# Altium PCB controller_V1.3.1.PcbDoc (part 4 of 7)
Units mm, origin at the board's own origin, x right, y up, seen from the top; angles counter-clockwise.
Board outline 244 x 150 mm, 2 copper layers (Top Layer, Bottom Layer), stack 1.98 mm thick; 438 components, 367 nets, 1493 pads, 9629 vias.
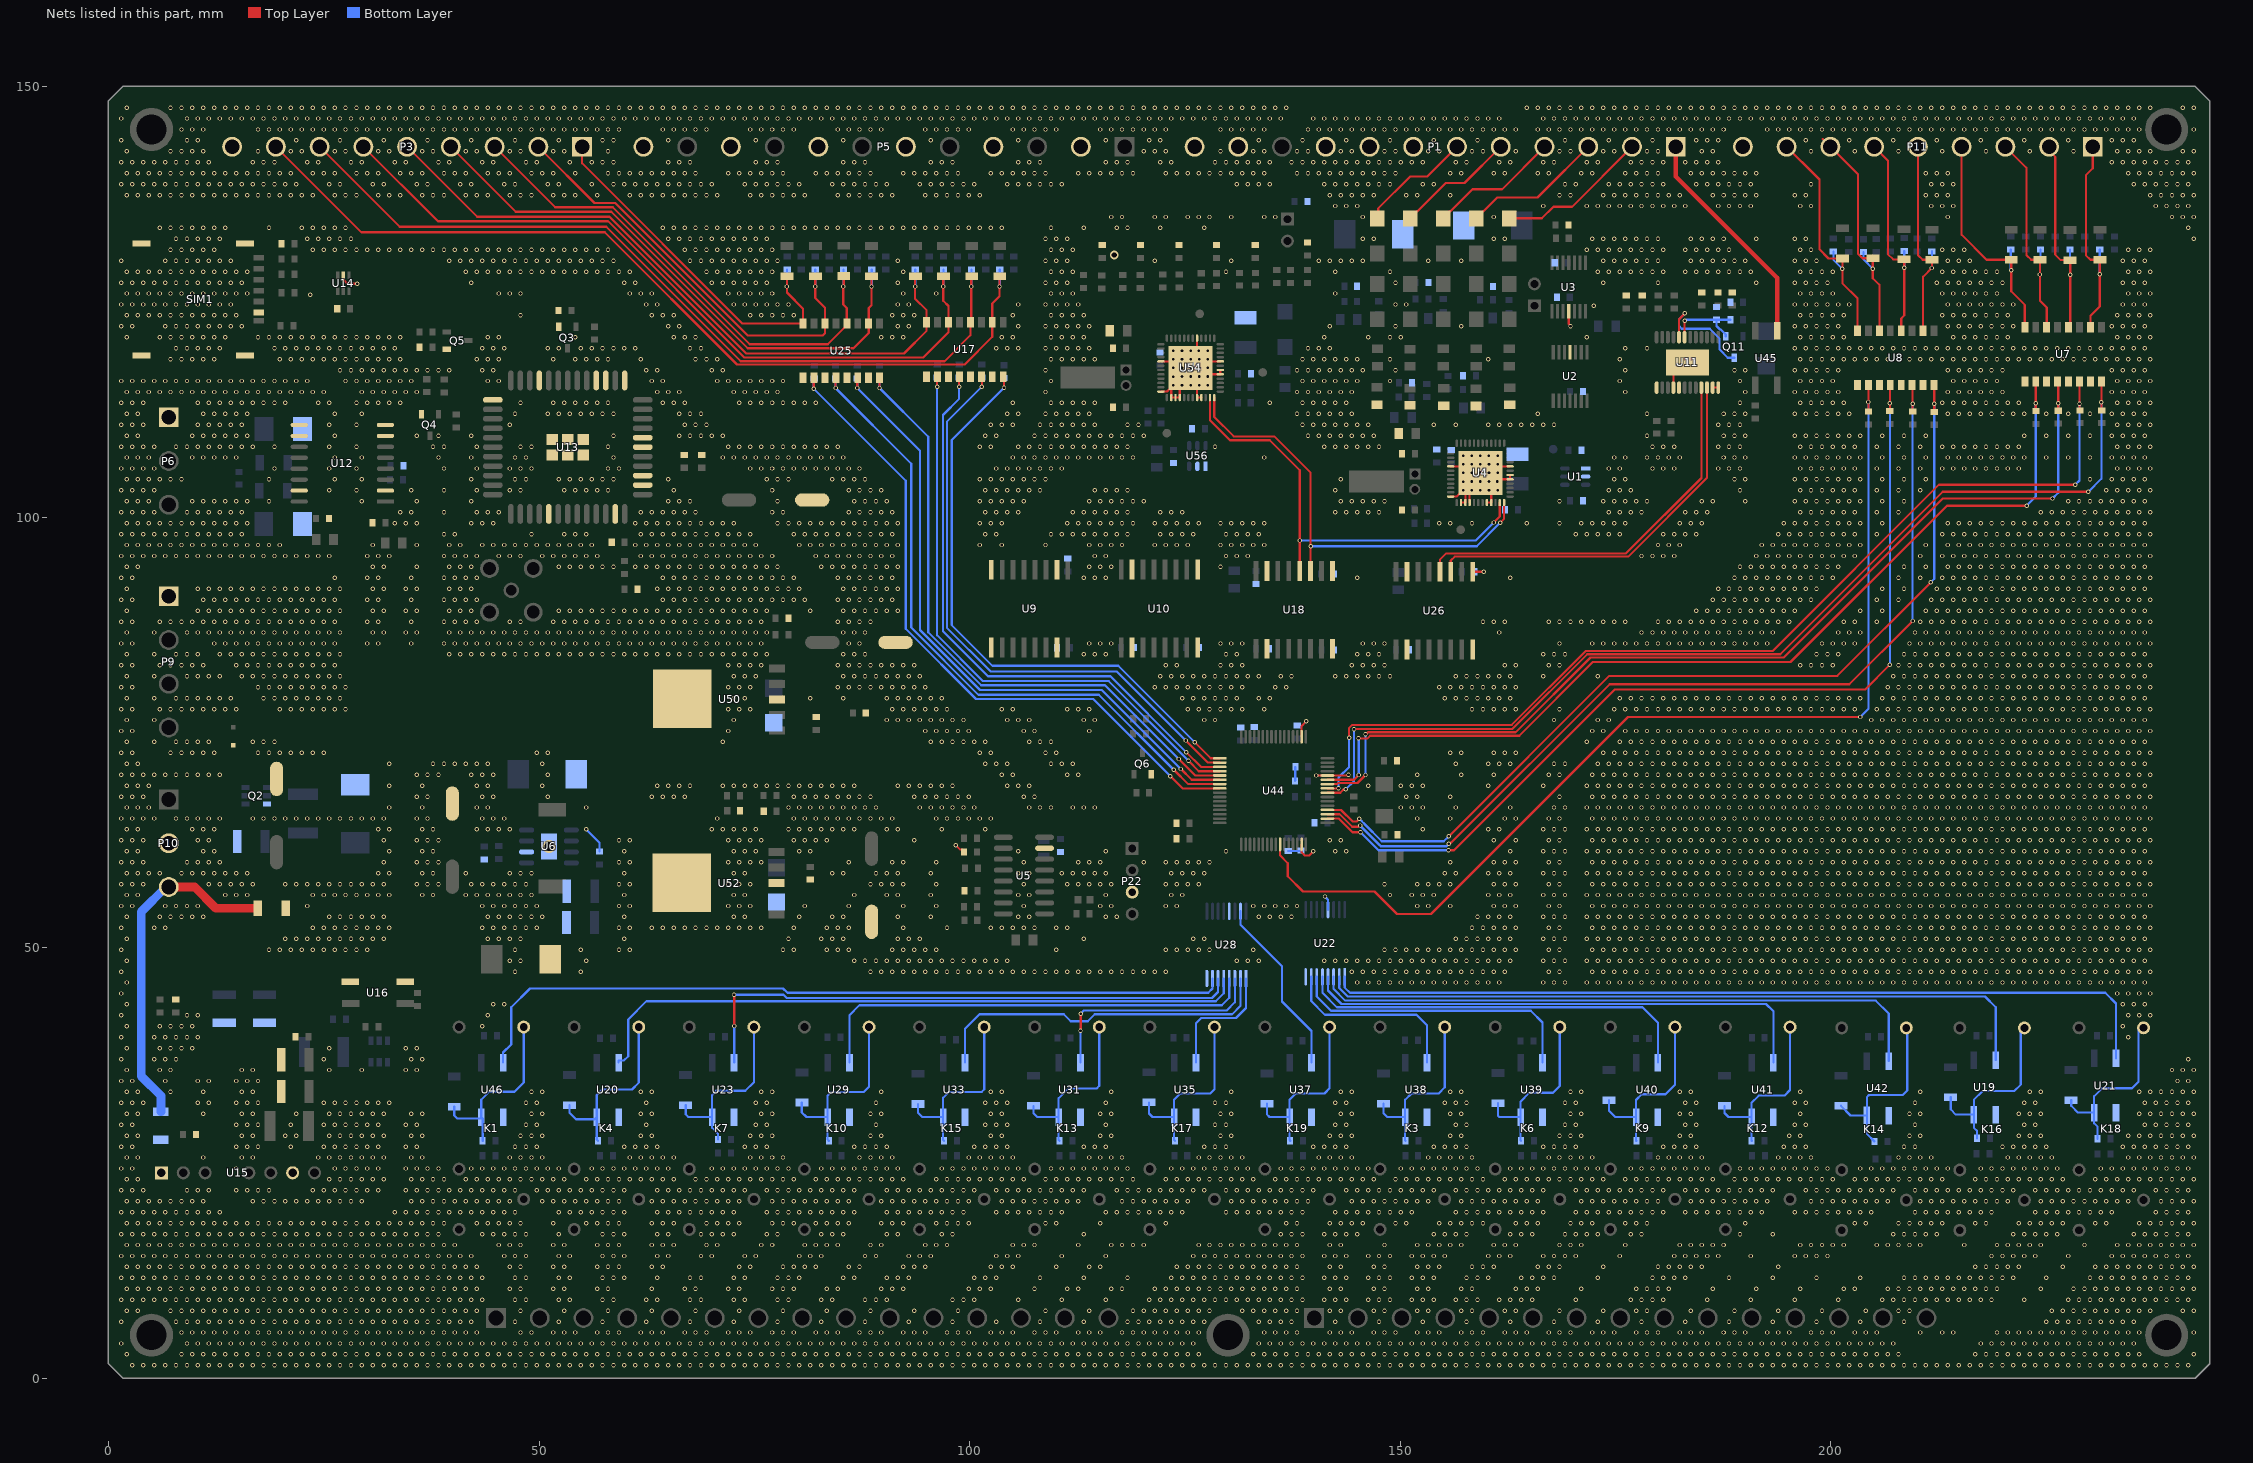
[diagram p4: the nets of this part, all layers, seen from the top]

## Via types
v1: diameter 0.508, hole 0.305, Top Layer to Bottom Layer, 9222 vias
v2: diameter 0.508, hole 0.305, Top Layer to Bottom Layer, tented both sides, 294 vias
v3: diameter 0.6, hole 0.3, Top Layer to Bottom Layer, 50 vias
v4: diameter 1.016, hole 0.635, Top Layer to Bottom Layer, tented both sides, 39 vias
v5: diameter 0.762, hole 0.508, Top Layer to Bottom Layer, tented both sides, 16 vias
v6: diameter 1.524, hole 1.016, Top Layer to Bottom Layer, tented both sides, 7 vias
v7: diameter 1.5, hole 1, Top Layer to Bottom Layer, 1 vias

## Nets (pads, with @x,y where several pads share a name; then routed paths per layer and width w, separated by ;. In a path a pad name is that pad's centre, name@x,y a point inside that pad or via, vN(x,y) a via of type N, cw(c..) or ccw(c..) an arc to the next point about the centre after c; other vN are vias at no path point) (continued)
AGND: (continued)
  other v1: 116.427,106.909 117.697,106.909 118.967,106.909 134.207,106.909 174.847,106.909 176.117,106.909 178.657,106.909 179.927,106.909 181.197,106.909 182.467,106.909 187.547,106.909 188.817,106.909 190.087,106.909 1.492,108.179 2.762,108.179 4.032,108.179 5.302,108.179 7.842,108.179 9.112,108.179 10.382,108.179 11.652,108.179 12.922,108.179 14.192,108.179 15.462,108.179 16.732,108.179 19.272,108.179 25.622,108.179 105.632,108.179 106.902,108.179 108.172,108.179 109.442,108.179 110.712,108.179 111.982,108.179 113.252,108.179 114.522,108.179 115.792,108.179 117.062,108.179 118.332,108.179 128.492,108.179 141.192,108.179 142.462,108.179 143.732,108.179 145.002,108.179 146.272,108.179 147.542,108.179 179.292,108.179 180.562,108.179 181.832,108.179 186.912,108.179 188.182,108.179 189.452,108.179 2.127,109.449 3.397,109.449 9.747,109.449 11.017,109.449 12.287,109.449 13.557,109.449 14.827,109.449 16.097,109.449 26.257,109.449 107.537,109.449 108.807,109.449 110.077,109.449 111.347,109.449 112.617,109.449 113.887,109.449 115.157,109.449 116.427,109.449 117.697,109.449 118.967,109.449 120.237,109.449 139.287,109.449 140.557,109.449 141.827,109.449 143.097,109.449 144.367,109.449 145.637,109.449 146.907,109.449 178.657,109.449 187.547,109.449 188.817,109.449 190.087,109.449 1.492,110.719 2.762,110.719 4.032,110.719 10.382,110.719 11.652,110.719 12.922,110.719 14.192,110.719 15.462,110.719 25.622,110.719 108.172,110.719 109.442,110.719 110.712,110.719 111.982,110.719 113.252,110.719 114.522,110.719 118.332,110.719 119.602,110.719 138.652,110.719 139.922,110.719 141.192,110.719 142.462,110.719 143.732,110.719 145.002,110.719 146.272,110.719 153.892,110.719 156.432,110.719 160.242,110.719 161.512,110.719 162.782,110.719 164.052,110.719 165.322,110.719 166.592,110.719 167.862,110.719 186.912,110.719 188.182,110.719 189.452,110.719 2.127,111.989 3.397,111.989 11.017,111.989 12.287,111.989 13.557,111.989 14.827,111.989 16.097,111.989 26.257,111.989 108.807,111.989 110.077,111.989 111.347,111.989 112.617,111.989 113.887,111.989 138.017,111.989 139.287,111.989 140.557,111.989 141.827,111.989 143.097,111.989 144.367,111.989 165.957,111.989 178.657,111.989 187.547,111.989 188.817,111.989 190.087,111.989 1.492,113.259 2.762,113.259 4.032,113.259 10.382,113.259 11.652,113.259 12.922,113.259 14.192,113.259 15.462,113.259 16.732,113.259 18.002,113.259 19.272,113.259 20.542,113.259 24.352,113.259 25.622,113.259 109.442,113.259 110.712,113.259 111.982,113.259 113.252,113.259 114.522,113.259 134.842,113.259 138.652,113.259 139.922,113.259 141.192,113.259 142.462,113.259 143.732,113.259 189.452,113.259 2.127,114.529 3.397,114.529 4.667,114.529 5.937,114.529 7.207,114.529 8.477,114.529 9.747,114.529 11.017,114.529 12.287,114.529 13.557,114.529 14.827,114.529 16.097,114.529 17.367,114.529 18.637,114.529 19.907,114.529 21.177,114.529 22.447,114.529 23.717,114.529 24.987,114.529 108.807,114.529 138.017,114.529 139.287,114.529 140.557,114.529 141.827,114.529 143.097,114.529 144.367,114.529 176.117,114.529 190.087,114.529 1.492,115.799 2.762,115.799 4.032,115.799 5.302,115.799 6.572,115.799 7.842,115.799 9.112,115.799 10.382,115.799 11.652,115.799 12.922,115.799 14.192,115.799 15.462,115.799 16.732,115.799 18.002,115.799 19.272,115.799 20.542,115.799 21.812,115.799 23.082,115.799 109.442,115.799 138.652,115.799 139.922,115.799 141.192,115.799 142.462,115.799 143.732,115.799 145.002,115.799 148.812,115.799 175.482,115.799 189.452,115.799 108.807,117.069 138.017,117.069 139.287,117.069 140.557,117.069 141.827,117.069 143.097,117.069 144.367,117.069 145.637,117.069 149.447,117.069 176.117,117.069 188.817,117.069 190.087,117.069 109.442,118.339 110.712,118.339 111.982,118.339 113.252,118.339 114.522,118.339 138.652,118.339 139.922,118.339 141.192,118.339 142.462,118.339 143.732,118.339 145.002,118.339 148.812,118.339 160.242,118.339 175.482,118.339 108.807,119.609 110.077,119.609 111.347,119.609 112.617,119.609 113.887,119.609 139.287,119.609 140.557,119.609 141.827,119.609 176.117,119.609 178.657,119.609 109.442,120.879 110.712,120.879 111.982,120.879 113.252,120.879 141.192,120.879 146.272,120.879 148.812,120.879 150.082,120.879 171.672,120.879 108.807,122.149 110.077,122.149 111.347,122.149 112.617,122.149 113.887,122.149 141.827,122.149 149.447,122.149 157.067,122.149 109.442,123.419 110.712,123.419 111.982,123.419 113.252,123.419 172.491,124.536 108.807,124.689 110.077,124.689 111.347,124.689 112.617,124.689 149.447,124.689 150.717,124.689 109.442,125.959 110.712,125.959 111.982,125.959 142.462,125.959 108.807,127.229 110.077,127.229 111.347,127.229 149.447,127.229 173.577,127.229 179.927,127.229 191.357,127.229 109.442,128.499 110.712,128.499 111.982,128.499 129.762,128.499 142.462,128.499 148.812,128.499 172.942,128.499 174.212,128.499 175.482,128.499 176.752,128.499 178.022,128.499 179.292,128.499 180.562,128.499 183.102,128.499 184.372,128.499 185.642,128.499 186.912,128.499 188.182,128.499 189.452,128.499 190.722,128.499 108.807,129.769 110.077,129.769 111.347,129.769 121.507,129.769 130.397,129.769 140.557,129.769 141.827,129.769 143.097,129.769 144.367,129.769 145.637,129.769 153.257,129.769 157.067,129.769 173.577,129.769 174.847,129.769 176.117,129.769 177.387,129.769 178.657,129.769 179.927,129.769 183.737,129.769 185.007,129.769 186.277,129.769 187.547,129.769 188.817,129.769 190.087,129.769 109.442,131.039 110.712,131.039 111.982,131.039 171.672,131.039 172.942,131.039 174.212,131.039 175.482,131.039 176.752,131.039 178.022,131.039 179.292,131.039 180.562,131.039 183.102,131.039 184.372,131.039 185.642,131.039 186.912,131.039 188.182,131.039 108.807,132.309 110.077,132.309 111.347,132.309 145.637,132.309 146.907,132.309 160.877,132.309 162.147,132.309 172.307,132.309 173.577,132.309 174.847,132.309 176.117,132.309 177.387,132.309 178.657,132.309 179.927,132.309 183.737,132.309 185.007,132.309 186.277,132.309 187.547,132.309 191.357,132.309 242.157,132.309 109.442,133.579 113.252,133.579 117.062,133.579 118.332,133.579 122.142,133.579 127.222,133.579 241.522,133.579 116.427,134.849 117.697,134.849 121.507,134.849 122.777,134.849 125.317,134.849 126.587,134.849 127.857,134.849 130.397,134.849 134.207,134.849 135.477,134.849 145.637,134.849 160.877,134.849 239.617,134.849 240.887,134.849 242.157,134.849 142.462,136.119 143.732,136.119 145.002,136.119 166.592,136.119 171.672,136.119 172.942,136.119 174.212,136.119 175.482,136.119 176.752,136.119 178.022,136.119 179.292,136.119 180.562,136.119 181.832,136.119 183.102,136.119 186.912,136.119 188.182,136.119 189.452,136.119 190.722,136.119 237.712,136.119 238.982,136.119 240.252,136.119 241.522,136.119 2.127,137.389 3.397,137.389 4.667,137.389 5.937,137.389 7.207,137.389 8.477,137.389 9.747,137.389 11.017,137.389 12.287,137.389 13.557,137.389 14.827,137.389 16.097,137.389 17.367,137.389 18.637,137.389 19.907,137.389 21.177,137.389 22.447,137.389 23.717,137.389 26.257,137.389 27.527,137.389 28.797,137.389 31.337,137.389 32.607,137.389 33.877,137.389 36.417,137.389 37.687,137.389 38.957,137.389 41.497,137.389 42.767,137.389 44.037,137.389 46.577,137.389 47.847,137.389 49.117,137.389 51.657,137.389 52.927,137.389 54.197,137.389 56.737,137.389 60.547,137.389 61.817,137.389 63.087,137.389 64.357,137.389 65.627,137.389 66.897,137.389 68.167,137.389 69.437,137.389 70.707,137.389 74.517,137.389 75.787,137.389 77.057,137.389 78.327,137.389 79.597,137.389 80.867,137.389 84.677,137.389 85.947,137.389 87.217,137.389 88.487,137.389 89.757,137.389 91.027,137.389 94.837,137.389 96.107,137.389 97.377,137.389 98.647,137.389 99.917,137.389 101.187,137.389 141.827,137.389 143.097,137.389 144.367,137.389 145.637,137.389 146.907,137.389 150.717,137.389 151.987,137.389 155.797,137.389 168.497,137.389 169.767,137.389 173.577,137.389 174.847,137.389 176.117,137.389 177.387,137.389 178.657,137.389 179.927,137.389 181.197,137.389 182.467,137.389 186.277,137.389 187.547,137.389 188.817,137.389 190.087,137.389 191.357,137.389 237.077,137.389 238.347,137.389 239.617,137.389 240.887,137.389 242.157,137.389 1.492,138.659 2.762,138.659 4.032,138.659 5.302,138.659 6.572,138.659 7.842,138.659 9.112,138.659 10.382,138.659 11.652,138.659 12.922,138.659 14.192,138.659 15.462,138.659 16.732,138.659 18.002,138.659 19.272,138.659 20.542,138.659 21.812,138.659 25.622,138.659 26.892,138.659 30.702,138.659 31.972,138.659 35.782,138.659 37.052,138.659 40.862,138.659 42.132,138.659 45.942,138.659 47.212,138.659 51.022,138.659 52.292,138.659 56.102,138.659 58.642,138.659 59.912,138.659 61.182,138.659 62.452,138.659 63.722,138.659 64.992,138.659 66.262,138.659 67.532,138.659 68.802,138.659 70.072,138.659 73.882,138.659 75.152,138.659 76.422,138.659 77.692,138.659 78.962,138.659 80.232,138.659 84.042,138.659 85.312,138.659 86.582,138.659 87.852,138.659 89.122,138.659 90.392,138.659 94.202,138.659 95.472,138.659 96.742,138.659 98.012,138.659 99.282,138.659 100.552,138.659 104.362,138.659 105.632,138.659 106.902,138.659 108.172,138.659 109.442,138.659 110.712,138.659 131.032,138.659 132.302,138.659 133.572,138.659 134.842,138.659 141.192,138.659 142.462,138.659 143.732,138.659 145.002,138.659 146.272,138.659 147.542,138.659 148.812,138.659 152.622,138.659 153.892,138.659 169.132,138.659 170.402,138.659 174.212,138.659 175.482,138.659 176.752,138.659 178.022,138.659 179.292,138.659 180.562,138.659 184.372,138.659 185.642,138.659 186.912,138.659 188.182,138.659 189.452,138.659 190.722,138.659 235.172,138.659 236.442,138.659 237.712,138.659 238.982,138.659 240.252,138.659 241.522,138.659 2.127,139.929 3.397,139.929 4.667,139.929 5.937,139.929 7.207,139.929 8.477,139.929 9.747,139.929 11.017,139.929 12.287,139.929 13.557,139.929 14.827,139.929 16.097,139.929 17.367,139.929 18.637,139.929 19.907,139.929 21.177,139.929 23.717,139.929 24.987,139.929 26.257,139.929 28.797,139.929 30.067,139.929 31.337,139.929 33.877,139.929 35.147,139.929 36.417,139.929 38.957,139.929 40.227,139.929 41.497,139.929 44.037,139.929 45.307,139.929 46.577,139.929 49.117,139.929 50.387,139.929 51.657,139.929 54.197,139.929 58.007,139.929 59.277,139.929 60.547,139.929 61.817,139.929 63.087,139.929 64.357,139.929 65.627,139.929 66.897,139.929 68.167,139.929 71.977,139.929 73.247,139.929 74.517,139.929 75.787,139.929 77.057,139.929 78.327,139.929 82.137,139.929 83.407,139.929 84.677,139.929 85.947,139.929 87.217,139.929 88.487,139.929 92.297,139.929 93.567,139.929 94.837,139.929 96.107,139.929 97.377,139.929 98.647,139.929 102.457,139.929 103.727,139.929 104.997,139.929 106.267,139.929 107.537,139.929 108.807,139.929 112.617,139.929 113.887,139.929 115.157,139.929 116.427,139.929 117.697,139.929 118.967,139.929 122.777,139.929 124.047,139.929 125.317,139.929 126.587,139.929 127.857,139.929 129.127,139.929 130.397,139.929 131.667,139.929 132.937,139.929 134.207,139.929 138.017,139.929 139.287,139.929 140.557,139.929 141.827,139.929 143.097,139.929 144.367,139.929 145.637,139.929 146.907,139.929 148.177,139.929 149.447,139.929 155.797,139.929 157.067,139.929 160.877,139.929 162.147,139.929 165.957,139.929 167.227,139.929 171.037,139.929 172.307,139.929 176.117,139.929 177.387,139.929 178.657,139.929 179.927,139.929 183.737,139.929 185.007,139.929 186.277,139.929 187.547,139.929 188.817,139.929 190.087,139.929 191.357,139.929 234.537,139.929 235.807,139.929 237.077,139.929 238.347,139.929 239.617,139.929 240.887,139.929 242.157,139.929 1.492,141.199 2.762,141.199 4.032,141.199 5.302,141.199 6.572,141.199 7.842,141.199 9.112,141.199 10.382,141.199 11.652,141.199 16.732,141.199 18.002,141.199 19.272,141.199 23.082,141.199 24.352,141.199 28.162,141.199 29.432,141.199 33.242,141.199 34.512,141.199 38.322,141.199 39.592,141.199 43.402,141.199 44.672,141.199 48.482,141.199 49.752,141.199 53.562,141.199 56.102,141.199 57.372,141.199 58.642,141.199 64.992,141.199 66.262,141.199 67.532,141.199 75.152,141.199 76.422,141.199 77.692,141.199 85.312,141.199 86.582,141.199 87.852,141.199 95.472,141.199 96.742,141.199 98.012,141.199 105.632,141.199 106.902,141.199 108.172,141.199 115.792,141.199 117.062,141.199 118.332,141.199 122.142,141.199 123.412,141.199 128.492,141.199 129.762,141.199 131.032,141.199 132.302,141.199 133.572,141.199 134.842,141.199 137.382,141.199 138.652,141.199 139.922,141.199 141.192,141.199 142.462,141.199 143.732,141.199 145.002,141.199 146.272,141.199 147.542,141.199 148.812,141.199 150.082,141.199 151.352,141.199 152.622,141.199 156.432,141.199 157.702,141.199 161.512,141.199 162.782,141.199 166.592,141.199 167.862,141.199 171.672,141.199 172.942,141.199 176.752,141.199 178.022,141.199 179.292,141.199 180.562,141.199 183.102,141.199 184.372,141.199 185.642,141.199 186.912,141.199 232.632,141.199 233.902,141.199 235.172,141.199 236.442,141.199 237.712,141.199 238.982,141.199 240.252,141.199 241.522,141.199 2.127,142.469 7.207,142.469 8.477,142.469 9.747,142.469 11.017,142.469 17.367,142.469 21.177,142.469 22.447,142.469 26.257,142.469 27.527,142.469 31.337,142.469 32.607,142.469 36.417,142.469 37.687,142.469 41.497,142.469 42.767,142.469 46.577,142.469 47.847,142.469 51.657,142.469 52.927,142.469 58.007,142.469 120.237,142.469 121.507,142.469 122.777,142.469 129.127,142.469 132.937,142.469 134.207,142.469 138.017,142.469 139.287,142.469 143.097,142.469 144.367,142.469 148.177,142.469 149.447,142.469 153.257,142.469 154.527,142.469 158.337,142.469 159.607,142.469 163.417,142.469 168.497,142.469 169.767,142.469 173.577,142.469 174.847,142.469 178.657,142.469 179.927,142.469 185.007,142.469 186.277,142.469 197.707,142.469 202.787,142.469 207.867,142.469 212.947,142.469 218.027,142.469 223.107,142.469 228.187,142.469 233.267,142.469 234.537,142.469 235.807,142.469 237.077,142.469 240.887,142.469 242.157,142.469 1.492,143.739 9.112,143.739 10.382,143.739 21.812,143.739 26.892,143.739 31.972,143.739 37.052,143.739 42.132,143.739 47.212,143.739 52.292,143.739 57.372,143.739 58.642,143.739 64.992,143.739 75.152,143.739 85.312,143.739 95.472,143.739 105.632,143.739 115.792,143.739 120.872,143.739 122.142,143.739 133.572,143.739 138.652,143.739 143.732,143.739 148.812,143.739 153.892,143.739 158.972,143.739 169.132,143.739 174.212,143.739 179.292,143.739 184.372,143.739 185.642,143.739 186.912,143.739 197.072,143.739 202.152,143.739 207.232,143.739 212.312,143.739 217.392,143.739 222.472,143.739 227.552,143.739 232.632,143.739 233.902,143.739 235.172,143.739 8.477,145.009 9.747,145.009 11.017,145.009 17.367,145.009 18.637,145.009 19.907,145.009 21.177,145.009 22.447,145.009 23.717,145.009 24.987,145.009 26.257,145.009 27.527,145.009 28.797,145.009 30.067,145.009 31.337,145.009 32.607,145.009 33.877,145.009 35.147,145.009 36.417,145.009 37.687,145.009 38.957,145.009 40.227,145.009 41.497,145.009 42.767,145.009 44.037,145.009 45.307,145.009 46.577,145.009 47.847,145.009 49.117,145.009 50.387,145.009 51.657,145.009 52.927,145.009 54.197,145.009 55.467,145.009 56.737,145.009 58.007,145.009 59.277,145.009 64.357,145.009 65.627,145.009 66.897,145.009 68.167,145.009 69.437,145.009 74.517,145.009 75.787,145.009 77.057,145.009 78.327,145.009 79.597,145.009 84.677,145.009 85.947,145.009 87.217,145.009 88.487,145.009 89.757,145.009 94.837,145.009 96.107,145.009 97.377,145.009 98.647,145.009 99.917,145.009 104.997,145.009 106.267,145.009 107.537,145.009 108.807,145.009 110.077,145.009 115.157,145.009 116.427,145.009 117.697,145.009 118.967,145.009 120.237,145.009 121.507,145.009 122.777,145.009 129.127,145.009 130.397,145.009 131.667,145.009 132.937,145.009 134.207,145.009 139.287,145.009 140.557,145.009 141.827,145.009 143.097,145.009 144.367,145.009 145.637,145.009 146.907,145.009 148.177,145.009 149.447,145.009 150.717,145.009 151.987,145.009 153.257,145.009 154.527,145.009 155.797,145.009 157.067,145.009 158.337,145.009 159.607,145.009 160.877,145.009 162.147,145.009 163.417,145.009 165.957,145.009 167.227,145.009 168.497,145.009 169.767,145.009 171.037,145.009 172.307,145.009 173.577,145.009 174.847,145.009 176.117,145.009 177.387,145.009 178.657,145.009 179.927,145.009 181.197,145.009 182.467,145.009 183.737,145.009 185.007,145.009 186.277,145.009 187.547,145.009 192.627,145.009 193.897,145.009 195.167,145.009 196.437,145.009 197.707,145.009 198.977,145.009 200.247,145.009 201.517,145.009 202.787,145.009 204.057,145.009 205.327,145.009 206.597,145.009 207.867,145.009 209.137,145.009 210.407,145.009 211.677,145.009 212.947,145.009 214.217,145.009 215.487,145.009 216.757,145.009 218.027,145.009 219.297,145.009 220.567,145.009 221.837,145.009 223.107,145.009 224.377,145.009 225.647,145.009 226.917,145.009 228.187,145.009 229.457,145.009 230.727,145.009 231.997,145.009 233.267,145.009 234.537,145.009 235.807,145.009 242.157,145.009 1.492,146.279 9.112,146.279 10.382,146.279 11.652,146.279 12.922,146.279 14.192,146.279 15.462,146.279 16.732,146.279 18.002,146.279 19.272,146.279 20.542,146.279 21.812,146.279 23.082,146.279 24.352,146.279 25.622,146.279 26.892,146.279 28.162,146.279 29.432,146.279 30.702,146.279 31.972,146.279 33.242,146.279 34.512,146.279 35.782,146.279 37.052,146.279 38.322,146.279 39.592,146.279 40.862,146.279 42.132,146.279 43.402,146.279 44.672,146.279 45.942,146.279 47.212,146.279 48.482,146.279 49.752,146.279 51.022,146.279 52.292,146.279 53.562,146.279 54.832,146.279 56.102,146.279 57.372,146.279 58.642,146.279 59.912,146.279 61.182,146.279 62.452,146.279 63.722,146.279 64.992,146.279 66.262,146.279 67.532,146.279 68.802,146.279 70.072,146.279 71.342,146.279 72.612,146.279 73.882,146.279 75.152,146.279 76.422,146.279 77.692,146.279 78.962,146.279 80.232,146.279 81.502,146.279 82.772,146.279 84.042,146.279 85.312,146.279 86.582,146.279 87.852,146.279 89.122,146.279 90.392,146.279 91.662,146.279 92.932,146.279 94.202,146.279 95.472,146.279 96.742,146.279 98.012,146.279 99.282,146.279 100.552,146.279 101.822,146.279 103.092,146.279 104.362,146.279 105.632,146.279 106.902,146.279 108.172,146.279 109.442,146.279 110.712,146.279 111.982,146.279 113.252,146.279 114.522,146.279 115.792,146.279 117.062,146.279 118.332,146.279 119.602,146.279 120.872,146.279 122.142,146.279 123.412,146.279 124.682,146.279 125.952,146.279 127.222,146.279 128.492,146.279 129.762,146.279 131.032,146.279 132.302,146.279 133.572,146.279 134.842,146.279 136.112,146.279 139.922,146.279 141.192,146.279 142.462,146.279 143.732,146.279 145.002,146.279 146.272,146.279 147.542,146.279 148.812,146.279 150.082,146.279 151.352,146.279 152.622,146.279 153.892,146.279 155.162,146.279 156.432,146.279 157.702,146.279 158.972,146.279 160.242,146.279 161.512,146.279 166.592,146.279 167.862,146.279 169.132,146.279 170.402,146.279 171.672,146.279 172.942,146.279 174.212,146.279 175.482,146.279 176.752,146.279 178.022,146.279 179.292,146.279 180.562,146.279 181.832,146.279 183.102,146.279 184.372,146.279 185.642,146.279 186.912,146.279 188.182,146.279 189.452,146.279 190.722,146.279 191.992,146.279 193.262,146.279 194.532,146.279 195.802,146.279 197.072,146.279 198.342,146.279 199.612,146.279 200.882,146.279 202.152,146.279 203.422,146.279 204.692,146.279 205.962,146.279 207.232,146.279 208.502,146.279 209.772,146.279 211.042,146.279 212.312,146.279 213.582,146.279 214.852,146.279 216.122,146.279 217.392,146.279 218.662,146.279 219.932,146.279 221.202,146.279 222.472,146.279 223.742,146.279 225.012,146.279 226.282,146.279 227.552,146.279 228.822,146.279 230.092,146.279 231.362,146.279 232.632,146.279 233.902,146.279 235.172,146.279 2.127,147.549 7.207,147.549 8.477,147.549 9.747,147.549 11.017,147.549 12.287,147.549 13.557,147.549 14.827,147.549 16.097,147.549 17.367,147.549 18.637,147.549 19.907,147.549 21.177,147.549 22.447,147.549 23.717,147.549 24.987,147.549 26.257,147.549 27.527,147.549 28.797,147.549 30.067,147.549 31.337,147.549 32.607,147.549 33.877,147.549 35.147,147.549 36.417,147.549 37.687,147.549 38.957,147.549 40.227,147.549 41.497,147.549 42.767,147.549 44.037,147.549 45.307,147.549 46.577,147.549 47.847,147.549 49.117,147.549 50.387,147.549 51.657,147.549 52.927,147.549 54.197,147.549 55.467,147.549 56.737,147.549 58.007,147.549 59.277,147.549 60.547,147.549 61.817,147.549 63.087,147.549 64.357,147.549 65.627,147.549 66.897,147.549 68.167,147.549 69.437,147.549 70.707,147.549 71.977,147.549 73.247,147.549 74.517,147.549 75.787,147.549 77.057,147.549 78.327,147.549 79.597,147.549 80.867,147.549 82.137,147.549 83.407,147.549 84.677,147.549 85.947,147.549 87.217,147.549 88.487,147.549 89.757,147.549 91.027,147.549 92.297,147.549 93.567,147.549 94.837,147.549 96.107,147.549 97.377,147.549 98.647,147.549 99.917,147.549 101.187,147.549 102.457,147.549 103.727,147.549 104.997,147.549 106.267,147.549 107.537,147.549 108.807,147.549 110.077,147.549 111.347,147.549 112.617,147.549 113.887,147.549 115.157,147.549 116.427,147.549 117.697,147.549 118.967,147.549 120.237,147.549 121.507,147.549 122.777,147.549 124.047,147.549 125.317,147.549 126.587,147.549 127.857,147.549 129.127,147.549 130.397,147.549 131.667,147.549 132.937,147.549 134.207,147.549 135.477,147.549 136.747,147.549 164.687,147.549 165.957,147.549 167.227,147.549 168.497,147.549 169.767,147.549 171.037,147.549 172.307,147.549 173.577,147.549 174.847,147.549 176.117,147.549 177.387,147.549 178.657,147.549 179.927,147.549 181.197,147.549 182.467,147.549 183.737,147.549 185.007,147.549 186.277,147.549 187.547,147.549 188.817,147.549 190.087,147.549 191.357,147.549 192.627,147.549 193.897,147.549 195.167,147.549 196.437,147.549 197.707,147.549 198.977,147.549 200.247,147.549 201.517,147.549 202.787,147.549 204.057,147.549 205.327,147.549 206.597,147.549 207.867,147.549 209.137,147.549 210.407,147.549 211.677,147.549 212.947,147.549 214.217,147.549 215.487,147.549 216.757,147.549 218.027,147.549 219.297,147.549 220.567,147.549 221.837,147.549 223.107,147.549 224.377,147.549 225.647,147.549 226.917,147.549 228.187,147.549 229.457,147.549 230.727,147.549 231.997,147.549 233.267,147.549 234.537,147.549 235.807,147.549 237.077,147.549 240.887,147.549 242.157,147.549
  other v3: 157.313,104.101 158.313,104.131 159.313,104.131 160.313,104.131 157.313,105.131 158.313,105.131 159.313,105.131 160.313,105.131 161.313,105.131 158.313,106.131 159.313,106.131 160.313,106.131 160.283,107.101 157.313,107.131 158.313,107.131 159.313,107.131 161.313,107.131 124.658,115.323 125.658,115.323 127.658,115.323 123.658,116.293 125.658,116.323 126.658,116.323 123.658,117.323 124.658,117.323 126.658,117.323 127.658,117.323 124.658,118.323 125.658,118.323 126.658,118.323 127.658,118.323 126.628,119.293 123.658,119.323 124.658,119.323 125.658,119.323 127.658,119.323
  other v4: 116.789,130.429
  other v7: 51.152,61.747
AI0: D1.1 P1.6 | length 13.3
  Top Layer w0.254: D1.1@147.353,134.689 147.454,134.79 147.454,135.846 151.155,139.548 153.148,139.548 P1.6@156.6,143
AI1: D2.1 P1.5 | length 14
  Top Layer w0.254: D2.1@151.179,134.689 151.179,134.764 151.902,135.487 151.977,135.487 155.275,138.786 157.466,138.786 P1.5@161.68,143
AI2: D5.1 P1.4 | length 15.2
  Top Layer w0.254: D5.1@155.005,134.689 155.005,134.764 155.728,135.487 155.803,135.487 158.39,138.074 161.834,138.074 P1.4@166.76,143
AI3: D7.1 P1.3 | length 17.4
  Top Layer w0.254: D7.1@158.83,134.689 158.83,134.764 159.553,135.487 159.628,135.487 161.251,137.11 165.95,137.11 P1.3@172.483,143.643
AI4: D10.1 P1.2 | length 17.7
  Top Layer w0.254: D10.1@162.656,134.689 166.439,134.689 167.792,136.042 169.962,136.042 P1.2@176.92,143
AI5: P1.11
AI6: P1.7
AI7: P1.8
AI8: P1.9
AO_0: P1.1 U45.3 | length 26.2
  Top Layer w0.508: P1.1@182,143 182,139.548 193.765,127.783 U45.3@193.765,121.641
AO_BOOST: Q11.3 U11.20 | length 13.5
  Top Layer w0.254: U11.20@182.376,120.883 182.376,122.965 v2(183.058,123.647)
  Bottom Layer w0.254: v2(183.058,123.647) 182.376,122.965 182.376,122.181 182.699,121.858 185.951,121.858 187.088,120.72 187.088,119.456 188.039,118.506 Q11.3@188.796,118.506
AO_IOUT: C40.2 Q11.1 R72.1 U11.19 | length 9.7
  Top Layer w0.254: U11.19@183.026,120.883 v2(183.026,122.802)
  Bottom Layer w0.254: v2(183.026,122.802) 183.095,122.802 183.205,122.913 C40.2@186.729,122.913 ; Q11.1@187.796,121.006 187.796,121.206 187.221,121.78 187.131,121.78 186.729,122.182 C40.2@186.729,122.913 ; R72.1@188.328,122.911 188.326,122.913 C40.2@186.729,122.913
DI_0: C108.2 D4.1 P3.4 U25.2 | length 67.7
  Top Layer w0.254: P3.4@39.76,143 47.302,135.458 58.378,135.458 74.224,119.612 86.516,119.612 88.278,121.374 U25.2@88.278,122.482 88.278,124.27 88.611,124.602 D4.1@88.611,127.971
  Bottom Layer w0.254: v2(88.6,126.771) 88.625,126.796 C108.2@88.625,128.754
DI_1: C56.2 D13.1 P3.3 U25.4 | length 59.2
  Top Layer w0.254: P3.3@44.84,143 51.874,135.966 58.555,135.966 74.452,120.069 83.526,120.069 85.738,122.282 U25.4@85.738,122.482 85.738,124.269 85.327,124.68 v2(85.327,126.771) ; v2@85.385,126.771 D13.1@85.385,127.996
  Bottom Layer w0.254: v2(85.327,126.771) 85.352,126.796 C56.2@85.352,128.754
DI_2: C63.2 D14.1 P3.2 U25.6 | length 51.6
  Top Layer w0.254: P3.2@49.92,143 56.446,136.474 58.852,136.474 74.259,121.067 82.906,121.067 83.198,121.359 U25.6@83.198,122.482 83.198,124.32 82.083,125.435 D14.1@82.083,127.971
  Bottom Layer w0.254: v2(82.054,126.771) 82.079,126.796 C63.2@82.079,128.754
DI_3: C65.2 D15.1 P3.1 U25.8 | length 43.5
  Top Layer w0.254: P3.1@55,143 55,141.088 73.606,122.482 U25.8@80.658,122.482 80.658,124.193 78.781,126.07 v2(78.781,126.771) D15.1@78.781,127.971
  Bottom Layer w0.254: v2(78.781,126.771) 78.806,126.796 C65.2@78.806,128.754
DI_4: C76.2 D45.1 P3.8 U17.2 | length 104.4
  Top Layer w0.254: P3.8@19.44,143 29.369,133.071 57.641,133.071 72.989,117.722 99.431,117.722 102.629,120.921 U17.2@102.629,122.609 102.629,124.803 103.462,125.637 v2(103.462,126.771) 103.462,127.938 D45.1@103.495,127.971
  Bottom Layer w0.254: v2(103.462,126.771) 103.488,126.796 C76.2@103.488,128.754
DI_5: C78.2 D16.1 P3.7 U17.4 | length 96
  Top Layer w0.254: P3.7@24.52,143 33.814,133.706 57.819,133.706 73.421,118.103 97.095,118.103 100.089,121.097 U17.4@100.089,122.609 100.197,122.716 v2(100.197,126.771) 100.197,127.923 D16.1@100.244,127.971
  Bottom Layer w0.254: v2@100.222,126.796 C78.2@100.222,128.754
DI_6: C79.2 D17.1 P3.6 U17.6 | length 88.1
  Top Layer w0.254: P3.6@29.6,143 38.259,134.341 58.022,134.341 73.843,118.52 94.619,118.52 97.549,121.45 U17.6@97.549,122.609 97.549,124.498 96.931,125.116 v2(96.931,126.771) 96.931,127.96 D17.1@96.942,127.971
  Bottom Layer w0.254: v2(96.931,126.771) 96.956,126.796 C79.2@96.956,128.754
DI_7: C80.2 D18.1 P3.5 U17.8 | length 80.3
  Top Layer w0.254: P3.5@34.68,143 42.806,134.874 58.174,134.874 74.063,118.986 92.369,118.986 95.009,121.626 U17.8@95.009,122.609 95.009,124.015 93.665,125.359 v2(93.665,126.771) 93.665,127.945 D18.1@93.691,127.971
  Bottom Layer w0.254: v2(93.665,126.771) 93.691,126.796 C80.2@93.691,128.754
DI_8: C16.2 D36.1 P11.1 U7.2 | length 26.4
  Top Layer w0.254: U7.2@230.149,122.048 230.149,123.368 231.242,124.46 231.242,128.191 D36.1@231.242,129.873 230.147,129.873 229.616,130.404 229.616,139.7 230.429,140.513 P11.1@230.429,143.431
  Bottom Layer w0.254: v2(231.223,128.191) C16.2@231.223,131.064
DI_9: C19.2 D37.1 P11.2 U7.4 | length 26
  Top Layer w0.254: P11.2@225.06,143.289 225.06,142.832 226.064,141.828 226.064,130.476 226.706,129.834 D37.1@227.796,129.834 v2(227.796,128.134) 227.796,122.234 U7.4@227.609,122.048
  Bottom Layer w0.254: v2@227.784,128.146 C19.2@227.784,131.064
DI_10: C22.2 D38.1 P11.3 U7.6 | length 26.5
  Top Layer w0.254: P11.3@220.269,143 222.707,140.562 222.707,130.429 223.263,129.873 D38.1@224.282,129.873 224.282,125.12 225.069,124.333 U7.6@225.069,122.048
  Bottom Layer w0.254: v2(224.282,128.173) 224.282,130.2 224.344,130.262 C22.2@224.344,131.064
DI_11: C24.2 D39.1 P11.4 U7.8 | length 28
  Top Layer w0.254: P11.4@215.189,143 215.189,132.766 218.082,129.873 D39.1@220.955,129.873 v2(220.955,128.673) 220.955,126.213 222.529,124.638 U7.8@222.529,122.048
  Bottom Layer w0.254: v2@220.904,128.724 C24.2@220.904,131.064
DI_12: C18.2 D40.1 P11.5 U8.2 | length 25
  Top Layer w0.254: P11.5@210.109,143 210.109,130.429 210.665,129.873 D40.1@211.734,129.873 v2(211.734,128.925) 210.718,127.909 U8.2@210.718,121.641
  Bottom Layer w0.254: v2(211.734,128.925) C18.2@211.734,130.859
DI_13: C20.2 D41.1 P11.6 U8.4 | length 26.4
  Top Layer w0.254: P11.6@205.029,143.727 P11.6@205.029,143 206.629,141.4 206.629,130.531 207.236,129.924 D41.1@208.483,129.924 208.534,129.873 v2(208.534,128.952) 208.534,123.419 208.178,123.063 U8.4@208.178,121.641
  Bottom Layer w0.254: v2(208.534,128.952) C20.2@208.534,130.886
DI_14: C23.2 D42.1 P11.7 U8.6 | length 28
  Top Layer w0.254: 199.059,143.89 203.175,139.774 203.175,130.556 203.68,130.051 D42.1@204.876,130.051 v2(204.876,128.851) 204.876,127.737 205.638,126.975 U8.6@205.638,121.641
  Bottom Layer w0.254: C23.2@203.801,130.759 203.801,129.926 v2(204.876,128.851)
DI_15: C26.2 D43.1 P11.8 U8.8 | length 28.6
  Top Layer w0.254: P11.8@194.541,143.328 198.679,139.19 198.679,131.089 199.743,130.025 D43.1@201.346,130.025 v2(201.346,128.825) 201.346,127.152 203.098,125.4 U8.8@203.098,121.641
  Bottom Layer w0.254: C26.2@200.296,130.835 200.296,129.875 v2(201.346,128.825)
DI_IN0: R82.2 U25.16 U44.37 | length 73.8
  Top Layer w0.254: v2(89.535,114.99) U25.16@89.535,116.188 ; v2(124.278,71.912) 126.199,69.991 U44.37@129.053,69.991
  Bottom Layer w0.254: R82.2@89.535,116.097 v2(89.535,114.99) 95.199,109.326 95.199,86.614 101.346,80.467 115.722,80.467 v2(124.278,71.912)
DI_IN1: R87.2 U25.14 U44.38 | length 75.5
  Top Layer w0.254: v2(86.957,114.99) U25.14@86.957,116.188 ; v2(124.536,70.739) 125.785,69.491 U44.38@129.053,69.491
  Bottom Layer w0.254: R87.2@86.957,116.097 v2(86.957,114.99) 94.234,107.713 94.234,86.875 101.201,79.908 115.341,79.908 124.511,70.739 v2(124.536,70.739)
DI_IN2: R93.2 U25.12 U44.39 | length 77.1
  Top Layer w0.254: v2(84.431,114.99) U25.12@84.431,116.188 ; v2(123.723,70.637) 125.37,68.991 U44.39@129.053,68.991
  Bottom Layer w0.254: R93.2@84.431,116.097 v2(84.431,114.99) 93.218,106.203 93.218,87.173 101.016,79.375 114.986,79.375 v2(123.723,70.637)
DI_IN3: R97.2 U25.10 U44.40 | length 79.1
  Top Layer w0.254: v2(81.89,114.91) U25.10@81.89,116.107 ; v2@123.133,69.922 v2(123.313,69.922) 124.744,68.491 U44.40@129.053,68.491
  Bottom Layer w0.254: R97.2@81.97,116.097 81.89,116.016 v2(81.89,114.91) 92.583,104.216 92.583,87.02 100.736,78.867 114.367,78.867 v2(123.313,69.922)
DI_IN4: R109.2 U17.16 U44.33 | length 70.1
  Top Layer w0.254: U17.16@103.899,116.309 103.988,116.22 v2(103.988,115.022) ; v2(126.136,73.838) 127.984,71.991 U44.33@129.053,71.991
  Bottom Layer w0.254: R109.2@103.988,116.129 v2(103.988,115.022) 97.917,108.952 97.917,87.452 102.641,82.728 117.246,82.728 v2(126.136,73.838)
DI_IN5: R114.2 U17.14 U44.34 | length 70.1
  Top Layer w0.254: v2(101.422,115.117) U17.14@101.422,116.315 ; v2(125.085,74.051) 127.645,71.491 U44.34@129.053,71.491
  Bottom Layer w0.254: R114.2@101.422,116.224 v2(101.422,115.117) 97.358,111.053 97.358,87.147 102.438,82.067 117.069,82.067 v2(125.085,74.051)
DI_IN6: R116.2 U17.12 U44.35 | length 70.1
  Top Layer w0.254: v2(98.779,115.117) U17.12@98.779,116.315 ; v2(125.16,72.706) 126.875,70.991 U44.35@129.053,70.991
  Bottom Layer w0.254: R116.2@98.779,116.224 v2(98.779,115.117) 98.779,113.74 96.901,111.862 96.901,86.741 102.133,81.509 116.357,81.509 v2(125.16,72.706)
DI_IN7: R118.2 U17.10 U44.36 | length 70.5
  Top Layer w0.254: v2(96.227,115.117) U17.10@96.227,116.315 ; v2(125.412,71.687) 126.608,70.491 U44.36@129.053,70.491
  Bottom Layer w0.254: R118.2@96.227,116.224 v2(96.227,115.117) 96.227,86.272 101.549,80.95 116.149,80.95 v2(125.412,71.687)
DI_IN8: R10.2 U7.16 U44.8 | length 120.8
  Top Layer w0.254: U44.8@141.553,67.991 142.619,67.991 142.627,67.983 143.048,67.983 143.393,68.328 143.639,68.328 v2(143.688,68.377) ; v2(144.628,75.362) 144.653,75.387 163.023,75.387 171.709,84.074 194.138,84.074 213.01,102.946 v2(229.914,102.946) ; U7.16@231.419,115.748 v2(231.419,113.337) 231.419,112.422 R10.2@231.445,112.396
  Bottom Layer w0.254: v2(143.688,68.377) 144.628,69.317 v2(144.628,75.362) ; v2(229.914,102.946) 231.419,104.452 v2(231.419,113.337)
DI_IN9: R16.2 U7.14 U44.9 | length 117.8
  Top Layer w0.254: U44.9@141.553,68.491 v2(142.837,68.491) ; v2(144.069,74.371) 144.069,75.521 144.417,75.87 162.966,75.87 171.552,84.455 193.243,84.455 212.547,103.759 v2(228.394,103.759) ; U7.14@228.879,115.748 v2(228.879,113.149) 228.879,112.447 R16.2@228.93,112.396
  Bottom Layer w0.254: v2(142.837,68.491) 142.837,69.754 144.069,70.986 v2(144.069,74.371) ; v2(228.394,103.759) 228.879,104.244 v2(228.879,113.149)
DI_IN10: R32.2 U7.12 U44.10 | length 115.5
  Top Layer w0.254: U44.10@141.553,68.991 142.706,68.991 142.825,69.11 145.03,69.11 v2(145.974,70.053) ; v2(145.974,74.778) 146.021,74.778 146.25,75.006 163.398,75.006 172.085,83.693 194.539,83.693 213.004,102.159 v2(225.743,102.159) ; U7.12@226.339,115.748 226.416,115.672 v2(226.416,113.207) R32.2@226.416,112.346
  Bottom Layer w0.254: v2(145.974,70.053) v2(145.974,74.778) ; v2(225.743,102.159) 226.416,102.831 v2(226.416,113.207)
DI_IN11: R34.2 U7.10 U44.11 | length 112.7
  Top Layer w0.254: U44.11@141.553,69.491 144.624,69.491 v2(145.186,70.053) ; v2(145.161,74.32) 145.186,74.295 145.738,74.295 145.763,74.27 146.184,74.27 146.527,74.612 163.817,74.612 172.364,83.16 195.326,83.16 213.487,101.321 v2(222.733,101.321) ; U7.10@223.799,115.748 v2(223.799,113.207) 223.799,112.346 R34.2@223.825,112.32
  Bottom Layer w0.254: v2(145.186,70.053) v2@145.186,74.32 ; v2(222.733,101.321) 223.799,102.387 v2(223.799,113.207)
DI_IN12: R36.2 U8.16 U44.4 | length 108.3
  Top Layer w0.254: U44.4@141.553,65.991 143.128,65.991 144.475,64.643 144.958,64.643 v2(145.263,64.948) ; v2(155.626,62.916) 174.269,81.559 200.762,81.559 v2@211.609,92.407 ; U8.16@211.988,115.341 212.014,115.315 v2(212.014,113.149) R36.2@212.014,112.217
  Bottom Layer w0.254: v2(145.263,64.948) 145.284,64.948 145.538,64.694 145.549,64.694 145.847,64.396 145.847,64.364 147.853,62.357 155.067,62.357 v2(155.626,62.916) ; v2(211.594,92.422) 212.014,92.842 v2(212.014,113.149)
DI_IN13: R41.2 U8.14 U44.3 | length 108.5
  Top Layer w0.254: U44.3@141.553,65.491 142.967,65.491 144.424,64.033 145.118,64.033 ; v2(155.651,62.052) 155.72,62.052 155.847,62.179 155.905,62.179 174.32,80.594 202.159,80.594 v2(209.499,87.935) ; U8.14@209.448,115.341 209.499,115.29 v2(209.499,113.149) R41.2@209.499,112.243
  Bottom Layer w0.254: v2(145.339,64.186) 147.599,61.925 147.599,61.922 147.748,61.773 155.372,61.773 v2(155.651,62.052) ; v2(209.499,87.935) v2(209.499,113.149)
DI_IN14: R43.2 U8.12 U44.2 | length 109.2
  Top Layer w0.254: U44.2@141.553,64.991 142.865,64.991 144.457,63.398 v2(145.39,63.398) ; v2(155.6,61.316) 156.235,61.316 174.904,79.985 203.987,79.985 v2(206.853,82.85) v2@206.858,82.855 ; R43.2@206.858,112.293 v2(206.858,113.235) 206.858,115.29 U8.12@206.908,115.341
  Bottom Layer w0.254: v2(145.39,63.398) 147.472,61.316 v2(155.6,61.316) ; v2(206.853,82.85) 206.858,82.855 v2(206.858,113.235)
DI_IN15: R47.2 U8.10 U44.58 | length 121.9
  Top Layer w0.254: U44.58@136.053,61.991 136.053,60.695 136.931,59.817 136.931,58.293 138.709,56.515 147.015,56.515 149.631,53.899 153.568,53.899 176.454,76.784 v2(203.414,76.784) ; R47.2@204.368,112.243 v2(204.368,113.364) U8.10@204.368,115.341
  Bottom Layer w0.254: v2(203.414,76.784) 204.368,77.739 v2(204.368,113.364)
DIN: U4.23 U18.12 U54.23 | length 53.2
  Top Layer w0.254: U54.23@127.908,113.873 127.908,111.233 130.226,108.915 134.849,108.915 138.325,105.439 v2(138.325,97.283) U18.12@138.325,93.749 ; v2(160.858,99.365) 161.563,100.07 U4.23@161.563,101.681
  Bottom Layer w0.254: v2(138.325,97.283) 158.776,97.283 v2(160.858,99.365)
DIN_AO: U11.9 U26.12 | length 46.2
  Top Layer w0.254: U26.12@154.606,93.646 154.606,95.043 155.346,95.783 176.225,95.783 184.976,104.534 U11.9@184.976,115.033
DM: U13.3
DO_0: C90.1 D49.1 K1.5 U46.4 | length 21.5
  Bottom Layer w0.254: D49.1@40.154,31.524 40.154,30.509 40.512,30.151 U46.4@43.454,30.151 ; C90.1@43.454,27.576 U46.4@43.454,30.151 ; K1.5@48.212,40.782 48.212,34.344 47.142,33.274 44.221,33.274 43.278,32.33 U46.4@43.278,30.328 U46.4@43.454,30.151
DO_1: C88.1 D20.1 K4.5 U20.4 | length 21.8
  Bottom Layer w0.254: D20.1@53.539,31.702 53.539,30.814 54.28,30.074 56.435,30.074 U20.4@56.689,30.328 ; C88.1@56.85,27.576 56.689,27.737 U20.4@56.689,30.328 ; K4.5@61.581,40.782 61.581,34.327 60.782,33.528 57.328,33.528 56.689,32.889 U20.4@56.689,30.328
DO_2: C91.1 D23.1 K7.5 U23.4 | length 21.6
  Bottom Layer w0.254: D23.1@67.027,31.702 67.027,30.636 67.335,30.328 U23.4@70.1,30.328 ; C91.1@70.764,27.711 70.764,28.423 70.1,29.087 U23.4@70.1,30.328 ; K7.5@74.95,40.782 74.95,34.366 73.96,33.376 70.587,33.376 70.1,32.889 U23.4@70.1,30.328
DO_3: C93.1 D24.1 K10.5 U29.4 | length 21.8
  Bottom Layer w0.254: D24.1@80.514,32.007 80.514,30.865 81.051,30.328 U29.4@83.511,30.328 ; C93.1@83.643,27.576 83.511,27.707 U29.4@83.511,30.328 ; K10.5@88.319,40.782 88.319,33.836 87.732,33.249 83.922,33.249 83.511,32.838 U29.4@83.511,30.328
DO_4: C95.1 D25.1 K13.5 U31.4 | length 21.1
  Bottom Layer w0.254: D25.1@107.413,31.626 107.413,30.759 107.845,30.328 U31.4@110.334,30.328 ; C95.1@110.435,27.576 110.334,27.677 U31.4@110.334,30.328 ; K13.5@115.057,40.782 115.057,33.955 114.732,33.63 111.455,33.63 110.334,32.508 U31.4@110.334,30.328
DO_5: C98.1 D27.1 K15.5 U33.4 | length 21.6
  Bottom Layer w0.254: D27.1@94.002,31.854 94.002,30.839 94.513,30.328 U33.4@96.923,30.328 ; C98.1@97.039,27.576 96.923,27.692 U33.4@96.923,30.328 ; K15.5@101.688,40.782 101.688,33.54 101.397,33.249 97.612,33.249 96.923,32.559 U33.4@96.923,30.328
DO_6: C102.1 D28.1 K17.5 U35.4 | length 21.6
  Bottom Layer w0.254: D28.1@120.824,32.032 120.824,30.738 121.234,30.328 U35.4@123.745,30.328 ; C102.1@123.832,27.576 123.745,27.662 U35.4@123.745,30.328 ; K17.5@128.426,40.782 128.426,33.557 127.914,33.045 124.435,33.045 123.745,32.356 U35.4@123.745,30.328
DO_7: C104.1 D29.1 K19.5 U37.4 | length 21.1
  Bottom Layer w0.254: D29.1@134.515,31.88 134.515,30.636 134.823,30.328 U37.4@137.156,30.328 ; C104.1@137.228,27.576 137.156,27.647 U37.4@137.156,30.328 ; K19.5@141.795,40.782 141.795,33.668 141.199,33.071 137.871,33.071 137.156,32.356 U37.4@137.156,30.328
DO_8: C106.1 D30.1 K3.5 U38.4 | length 20.8
  Bottom Layer w0.254: D30.1@148.053,31.88 148.053,30.763 148.488,30.328 U38.4@150.567,30.328 ; C106.1@150.624,27.576 150.567,27.63 U38.4@150.567,30.328 ; K3.5@155.164,40.782 155.164,33.778 154.457,33.071 151.308,33.071 150.567,32.33 U38.4@150.567,30.328
DO_9: C107.1 D31.1 K6.5 U39.4 | length 20.8
  Bottom Layer w0.254: D31.1@161.362,31.93 161.362,30.484 161.519,30.328 U39.4@163.979,30.328 ; C107.1@164.02,27.576 163.979,27.617 U39.4@163.979,30.328 ; K6.5@168.533,40.782 168.533,33.934 167.746,33.147 164.998,33.147 163.979,32.127 U39.4@163.979,30.328
DO_10: C109.1 D32.1 K9.5 U40.4 | length 21.4
  Bottom Layer w0.254: D32.1@174.24,32.286 174.24,31.043 174.955,30.328 U40.4@177.39,30.328 ; C109.1@177.417,27.576 177.39,27.603 U40.4@177.39,30.328 ; K9.5@181.902,40.782 181.902,34.074 180.797,32.969 178.054,32.969 177.39,32.305 U40.4@177.39,30.328
DO_11: C110.1 D33.1 K12.5 U41.4 | length 21
  Bottom Layer w0.254: D33.1@187.651,31.626 187.651,30.789 188.112,30.328 U41.4@190.801,30.328 ; C110.1@190.813,27.576 190.801,27.588 U41.4@190.801,30.328 ; K12.5@195.271,40.782 195.271,33.473 194.615,32.817 191.618,32.817 190.801,32 U41.4@190.801,30.328
DO_12: C111.1 D34.1 K14.5 U42.4 | length 21.1
  Bottom Layer w0.254: D34.1@201.168,31.632 202.291,30.509 U42.4@204.191,30.509 ; C111.1@205.078,27.487 204.191,28.374 U42.4@204.191,30.509 ; K14.5@208.871,40.532 208.871,33.408 208.356,32.893 204.445,32.893 204.191,32.639 U42.4@204.191,30.509
DO_13: C87.1 D19.1 K16.5 U19.4 | length 21.6
  Bottom Layer w0.254: D19.1@213.919,32.623 213.919,31.217 214.525,30.611 U19.4@216.611,30.611 ; C87.1@216.967,27.868 216.967,28.727 216.611,29.083 U19.4@216.611,30.611 ; K16.5@222.054,40.532 222.054,34.094 221.31,33.35 217.627,33.35 216.611,32.334 U19.4@216.611,30.611
DO_14: C89.1 D21.1 K18.5 U21.4 | length 20.9
  Bottom Layer w0.254: D21.1@227.914,32.29 227.914,31.623 228.698,30.839 U21.4@230.581,30.839 ; C89.1@230.988,27.817 230.988,29.185 230.581,29.591 U21.4@230.581,30.839 ; K18.5@235.744,40.732 235.744,34.449 234.975,33.68 231.521,33.68 230.581,32.741 U21.4@230.581,30.839
DO_CTRL_0: U28.7 U46.2 | length 90.8
  Bottom Layer w0.254: U46.2@45.818,36.652 45.818,37.817 46.761,38.76 46.761,43.082 48.942,45.263 78.334,45.263 78.842,44.755 127.711,44.755 128.2,45.244 U28.7@128.2,46.429
DO_CTRL_1: U23.2 U28.6 | length 66.1
  Top Layer w0.254: v2(72.644,44.526) 72.669,44.501 v2(72.669,40.894)
  Bottom Layer w0.254: U23.2@72.64,36.652 72.669,36.681 v2(72.669,40.894) ; v2(72.644,44.526) 78.384,44.526 78.765,44.145 128.143,44.145 128.85,44.853 U28.6@128.85,46.429
DO_CTRL_2: U20.2 U28.5 | length 78
  Bottom Layer w0.254: U20.2@59.229,36.652 59.229,36.906 59.868,36.906 60.35,37.389 60.35,41.656 62.459,43.764 81.178,43.764 128.575,43.764 129.5,44.69 U28.5@129.5,46.429
DO_CTRL_3: U28.4 U29.2 | length 52.7
  Bottom Layer w0.254: U29.2@86.051,36.652 86.051,42.16 87.198,43.307 129.286,43.307 130.15,44.171 U28.4@130.15,46.429
DO_CTRL_4: U28.3 U31.2 | length 26.9
  Top Layer w0.254: v2@112.903,40.361 v2(112.903,42.342)
  Bottom Layer w0.254: U31.2@112.874,36.652 v2(112.874,40.331) ; v2(112.903,42.342) 113.259,42.697 129.845,42.697 130.8,43.653 U28.3@130.8,46.429
DO_CTRL_5: U28.2 U33.2 | length 40.9
  Bottom Layer w0.254: U33.2@99.463,36.652 99.463,40.585 101.143,42.266 108.636,42.266 110.922,42.266 111.735,41.453 113.716,41.453 114.529,42.266 130.48,42.266 131.45,43.236 U28.2@131.45,46.429
DO_CTRL_6: U28.1 U35.2 | length 14.6
  Bottom Layer w0.254: U35.2@126.285,36.652 126.285,41.22 126.898,41.834 130.937,41.834 132.1,42.997 U28.1@132.1,46.429
DO_CTRL_7: U28.15 U37.2 | length 21
  Bottom Layer w0.254: U28.15@131.45,54.229 131.45,52.674 136.271,47.854 136.271,43.739 139.696,40.314 U37.2@139.696,36.652
DO_CTRL_8: U22.7 U38.2 | length 21.8
  Bottom Layer w0.254: U22.7@139.666,46.609 139.666,43.802 141.253,42.215 151.892,42.215 153.107,40.999 U38.2@153.107,36.652
DO_CTRL_9: U22.6 U39.2 | length 34.4
  Bottom Layer w0.254: U22.6@140.316,46.609 140.316,44.316 141.961,42.672 165.151,42.672 166.519,41.304 U39.2@166.519,36.652
DO_CTRL_10: U22.5 U40.2 | length 46.9
  Bottom Layer w0.254: U22.5@140.966,46.609 140.966,44.759 142.642,43.082 178.126,43.082 179.93,41.279 U40.2@179.93,36.652
DO_CTRL_11: U22.4 U41.2 | length 60.3
  Bottom Layer w0.254: U22.4@141.616,46.609 141.616,45.023 143.176,43.463 192.477,43.463 193.341,42.6 U41.2@193.341,36.652
DO_CTRL_12: U22.3 U42.2 | length 72.6
  Bottom Layer w0.254: U22.3@142.266,46.609 142.266,45.19 143.612,43.844 205.228,43.844 206.731,42.342 U42.2@206.731,36.834
DO_CTRL_13: U19.2 U22.2 | length 84.6
  Bottom Layer w0.254: U22.2@142.916,46.609 142.916,45.323 143.916,44.323 217.907,44.323 219.151,43.078 U19.2@219.151,36.935
DO_CTRL_14: U21.2 U22.1 | length 97.9
  Bottom Layer w0.254: U22.1@143.566,46.609 143.566,45.359 144.17,44.755 231.877,44.755 233.121,43.51 U21.2@233.121,37.164
DOUT: U4.24 U18.11 U54.24 | length 53.2
  Top Layer w0.254: U54.24@128.408,113.873 128.408,111.622 130.658,109.372 135.382,109.372 139.595,105.16 v2(139.595,96.621) U18.11@139.595,93.749 ; v2(161.595,99.339) 162.063,99.808 U4.24@162.063,101.681
  Bottom Layer w0.254: v2(139.595,96.621) 158.876,96.621 v2(161.595,99.339)
DOUT_AO: U11.10 U26.11 | length 45.5
  Top Layer w0.254: U26.11@155.876,93.646 155.876,94.958 156.32,95.402 176.476,95.402 185.626,104.552 U11.10@185.626,115.033
DP: U13.4
EARTH: C15.2 C62.2 P10.3 | length 39.6
  Top Layer w1.016: P10.3@7,57.048 10.004,57.048 12.468,54.585 C15.2@17.323,54.585
  Bottom Layer w1.016: C62.2@6.096,30.961 6.096,32.791 3.81,35.077 3.81,54.178 P10.3@6.68,57.048
GND: C9.2 C11.2 C14.2 C41.1 C45.1 C57.2 C73.2 C113.2 C114.1 C115.1 C116.2 C117.2 C118.1 C119.1 C120.1 C122.1 C123.1 C124.1 C125.1 C126.1 C127.1 C128.1 C141.1 C142.2 C143.2 C144.2 C145.2 C146.1 C147.1 C161.1 C163.1 C166.1 C168.1 C169.2 D22.1 D69.1 D71.1 E147.2 LED2.2 LED17.2 P9.1 P22.3 Q3.2 Q4.2 Q5.2 Q6.2 R22.2 R76.2 R163.1 R166.1 R181.1 R183.1 R186.1 SIM1.0 SIM1.5 U5.15 U7.9 U7.11 U7.13 U7.15 U8.9 U8.11 U8.13 U8.15 U9.9 U9.15 U10.2 U10.8 U12.2 U12.7 U12.8 U13.1 U13.10 U13.27 U13.34 U13.36 U13.37 U13.40 U13.41 U13.89 U13.90 U13.91 U13.92 U13.93 U13.94 U13.95 U14.2 U15.7 U16.2 U17.9 U17.11 U17.13 U17.15 U18.2 U18.8 U22.8 U22.13 U25.9 U25.11 U25.13 U25.15 U26.2 U26.8 U28.8 U28.13 U44.12 U44.18 U44.63 U50.3 U50.6 U52.3 U52.6 | length 16.9
  Top Layer w0.254: U14.2@27.28,128.077 27.353,128.004 27.353,127.511 27.762,127.102 v2(28.88,127.102) ; v2(98.4,61.874) 98.864,61.41 99.137,61.41 99.36,61.187 C11.2@99.36,61.112 ; U44.63@138.553,61.991 138.553,61.068 138.915,60.706 139.44,60.706 v2(139.922,61.189) ; U44.18@138.553,74.491 138.553,75.739 v2(139.09,76.276) ; v2@140.247,70.012 v2(140.268,69.991) U44.12@141.553,69.991 143.836,69.991 143.924,70.079 v2(143.993,70.079)
  Bottom Layer w0.254: R22.2@136.982,61.238 138.429,61.238 C127.1@138.481,61.29 ; C120.1@137.766,69.342 137.819,69.395 C125.1@137.819,70.993 ; v2(141.26,55.932) 141.616,55.576 U22.13@141.616,54.409